# KiCad board Wirebonder.kicad_pcb (continued)
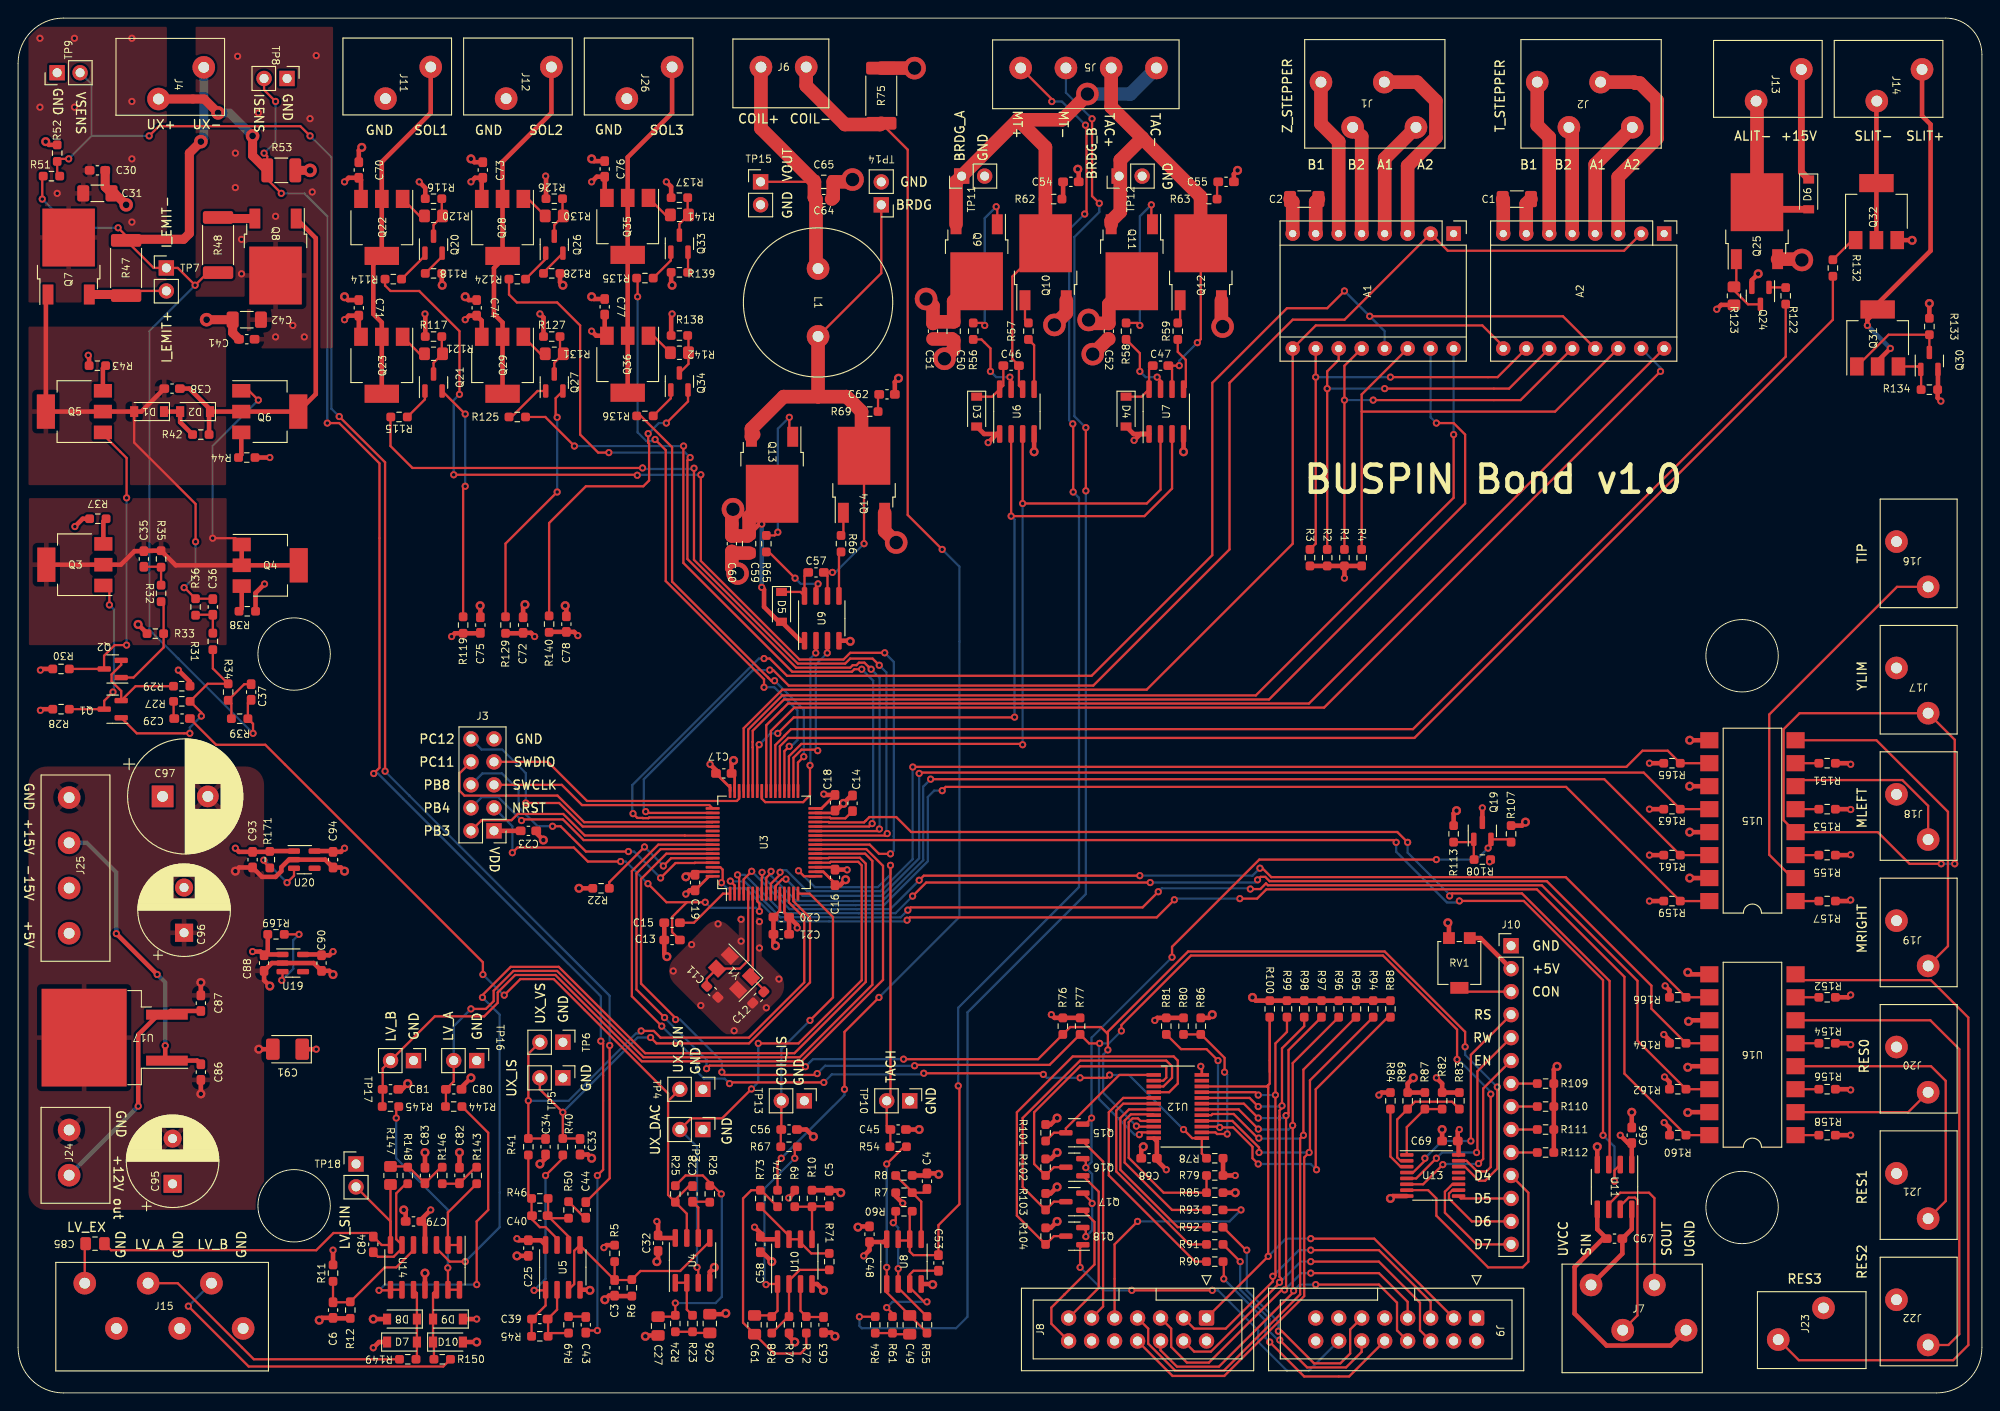
[diagram p0: board, top side]
## Nets (continued)
Net-(C64-Pad1): C64.1 C65.1 J6.1 L1.1 TP15.1
Net-(C67-Pad1): C67.1 J7.4 U11.5
Net-(C67-Pad2): C67.2 J7.1 U11.8
Net-(C82-Pad1): C82.1 R143.2 R146.1
Net-(C83-Pad1): C83.1 R146.2 R147.1 R148.1
Net-(C84-Pad1): C84.1 R148.2 U14.6
Net-(C84-Pad2): C84.2 C85.1 R147.2 TP18.2 U14.7
Net-(C85-Pad2): C85.2 J15.1
Net-(D1-Pad1): D1.1 D2.2 R42.1
Net-(D7-Pad2): D7.2 D8.1 R149.1 U14.10
Net-(D10-Pad1): D9.2 D10.1 R150.1 U14.12
Net-(J5-Pad3): J5.3 R64.2
Net-(J6-Pad2): J6.2 R74.2 R75.1
Net-(J7-Pad2): J7.2 U11.7
Net-(J7-Pad3): J7.3 U11.6
Net-(J8-Pad1): J8.1 J9.3 R100.2 U12.10
Net-(J8-Pad3): J8.3 J9.5 R99.2 U12.9
Net-(J8-Pad4): J8.4 J9.6 R98.2 U12.8
Net-(J8-Pad5): J8.5 J9.7 R97.2 U12.7
Net-(J8-Pad6): J8.6 J9.8 R96.2 U12.6
Net-(J8-Pad7): J8.7 R95.2 U12.5
Net-(J8-Pad8): J8.8 R94.2 U12.4
Net-(J8-Pad9): J8.9 R93.2
Net-(J8-Pad11): J8.11 Q15.1
Net-(J8-Pad13): J8.13 Q16.1
Net-(J8-Pad14): J8.14 Q17.1
Net-(J9-Pad10): J9.10 R90.2
Net-(J9-Pad11): J9.11 R92.2
Net-(J9-Pad12): J9.12 R91.2
Net-(J9-Pad14): J9.14 Q18.1
Net-(J10-Pad3): J10.3 RV1.2
Net-(J10-Pad7): J10.7 R109.1
Net-(J10-Pad8): J10.8 R110.1
Net-(J10-Pad9): J10.9 R111.1
Net-(J10-Pad10): J10.10 R112.1
Net-(J15-Pad3): J15.3 R149.2
Net-(J15-Pad5): J15.5 R150.2
Net-(J16-Pad1): J16.1 U15.2
Net-(J17-Pad1): J17.1 U15.4
Net-(J18-Pad1): J18.1 U15.6
Net-(J19-Pad1): J19.1 U15.8
Net-(J20-Pad1): J20.1 U16.2
Net-(J21-Pad1): J21.1 U16.4
Net-(J22-Pad1): J22.1 U16.6
Net-(J23-Pad1): J23.1 U16.8
Net-(Q1-Pad1): Q1.1 R27.1 R31.2 R34.1
Net-(Q1-Pad2): Q1.2 Q2.2 R29.2
Net-(Q1-Pad3): Q1.3 Q3.1 R28.1
Net-(Q2-Pad1): Q2.1 R32.2 R33.2
Net-(Q2-Pad3): Q2.3 Q5.1 R30.1
Net-(Q3-Pad3): Q3.3 R37.1
Net-(Q4-Pad3): Q4.3 R38.2
Net-(Q5-Pad3): Q5.3 R43.1
Net-(Q6-Pad3): Q6.3 R44.2
Net-(Q7-Pad3): Q7.3 R47.1 TP7.2
Net-(Q8-Pad3): Q8.3 R48.2
Net-(Q9-Pad1): Q9.1 R56.2
Net-(Q10-Pad1): Q10.1 R57.2
Net-(Q11-Pad1): Q11.1 R58.2
Net-(Q12-Pad1): Q12.1 R59.2
Net-(Q13-Pad1): Q13.1 R65.1
Net-(Q14-Pad1): Q14.1 R66.1
Net-(Q15-Pad2): Q15.2 Q16.2 Q17.2 Q18.2 Q19.2 R107.1
Net-(Q15-Pad3): Q15.3 R101.2 U12.13
Net-(Q16-Pad3): Q16.3 R102.2 U12.14
Net-(Q17-Pad3): Q17.3 R103.2 U12.15
Net-(Q18-Pad3): Q18.3 R104.2 U12.16
Net-(Q19-Pad1): Q19.1 R108.2 R113.1
Net-(Q20-Pad1): Q20.1 R114.1
Net-(Q20-Pad2): Q20.2 R118.2
Net-(Q20-Pad3): Q20.3 R116.1 R120.1
Net-(Q21-Pad1): Q21.1 R115.1
Net-(Q21-Pad2): Q21.2 R119.2
Net-(Q21-Pad3): Q21.3 R117.2 R121.1
Net-(Q22-Pad1): Q22.1 R120.2
Net-(Q23-Pad1): Q23.1 R121.2
Net-(Q24-Pad1): Q24.1 R122.1
Net-(Q24-Pad3): Q24.3 Q25.1 R123.1
Net-(Q26-Pad1): Q26.1 R124.1
Net-(Q26-Pad2): Q26.2 R128.2
Net-(Q26-Pad3): Q26.3 R126.1 R130.1
Net-(Q27-Pad1): Q27.1 R125.1
Net-(Q27-Pad2): Q27.2 R129.2
Net-(Q27-Pad3): Q27.3 R127.2 R131.1
Net-(Q28-Pad1): Q28.1 R130.2
Net-(Q29-Pad1): Q29.1 R131.2
Net-(Q30-Pad1): Q30.1 Q31.3 R134.1
Net-(Q30-Pad3): Q30.3 Q31.1 R133.2
Net-(Q32-Pad1): Q32.1 R132.1
Net-(Q33-Pad1): Q33.1 R135.1
Net-(Q33-Pad2): Q33.2 R139.2
Net-(Q33-Pad3): Q33.3 R137.1 R141.1
Net-(Q34-Pad1): Q34.1 R136.1
Net-(Q34-Pad2): Q34.2 R140.2
Net-(Q34-Pad3): Q34.3 R138.2 R142.1
Net-(Q35-Pad1): Q35.1 R141.2
Net-(Q36-Pad1): Q36.1 R142.2
Net-(R22-Pad1): R22.1 U3.60
Net-(R23-Pad1): R23.1 U4.1 U4.2
Net-(R55-Pad1): R55.1 R60.2 U8.2
Net-(R56-Pad1): R56.1 U6.7
Net-(R57-Pad1): R57.1 U6.5
Net-(R58-Pad1): R58.1 U7.7
Net-(R59-Pad1): R59.1 U7.5
Net-(R65-Pad2): R65.2 U9.7
Net-(R66-Pad2): R66.2 U9.5
Net-(R68-Pad1): R68.1 R70.1 R71.2 U10.2
Net-(R71-Pad1): R71.1 R73.1 U10.6 U10.7
Net-(R79-Pad1): R79.1 R85.1 U12.21
Net-(R80-Pad1): R80.1 R86.1 U12.2
Net-(R81-Pad1): R81.1 R88.1 U12.3
Net-(R82-Pad1): R82.1 R87.1 U13.1
Net-(R83-Pad1): R83.1 R89.1 U13.2
Net-(R84-Pad2): R84.2 U13.3
Net-(R90-Pad1): R90.1 U12.17
Net-(R91-Pad1): R91.1 U12.18
Net-(R92-Pad1): R92.1 U12.19
Net-(R93-Pad1): R93.1 U12.20
Net-(R143-Pad1): R143.1 U14.1 U14.2
Net-(R144-Pad1): R144.1 U14.8 U14.9
Net-(R145-Pad1): R145.1 U14.13 U14.14
Net-(R151-Pad2): R151.2 U15.7
Net-(R152-Pad2): R152.2 U16.7
Net-(R153-Pad2): R153.2 U15.5
Net-(R154-Pad2): R154.2 U16.5
Net-(R155-Pad2): R155.2 U15.3
Net-(R156-Pad2): R156.2 U16.3
Net-(R157-Pad2): R157.2 U15.1
Net-(R158-Pad2): R158.2 U16.1
Net-(R169-Pad1): R169.1 U19.3
Net-(R171-Pad1): R171.1 U20.3

Pads without a net: J8 10 12; J9 1 4 9 13 15 16; U3 54; U12 11; U13 12 13; U19 4; U20 4

## Via types
v1: diameter 0.8, hole 0.4, Top to Bottom, 387 vias
v2: diameter 1, hole 0.5, Top to Bottom, 91 vias
v3: diameter 2.5, hole 1.5, Top to Bottom, 13 vias
v4: diameter 1.5, hole 0.75, Top to Bottom, 6 vias

## Routing (per net, layer and track width the routed paths; a pad name or vN(x,y) marks a point on that pad's centre or on a via; arc(x,y) is an arc through that point)
+5V: length 38
  Top w0.5: v1(25.91,48.8) 26.77,48.8 C88.2 ; R169.2 27.59,48.8 C88.2 ; RV1.1 161.59,50.28 J10.2 ; v1(162.6,58.72) 162.71,58.84 R108.1 ; v1(202.5,33.5) 202.42,33.58 R156.1 ; v1(202.5,44) 202.24,43.74 R152.1 ; C88.2 27.27,48.47 U19.1 ; R157.1 202.38,54.38 v1(202.5,54.5) ; R154.1 202.34,38.66 v1(202.5,38.5) ; v1(212.47,109.65) 212.11,110.01 R134.2 212.15,110.96 Q30.2 ; Q19.3 v1(161.8,64.68) ; U20.1 27.85,59.91 R171.2 27.77,59.82 C93.2 24.41,59.82 v1(24.01,60.22) ; R153.1 202.46,64.54 v1(202.5,64.5) ; R155.1 202.46,59.46 v1(202.5,59.5) ; R151.1 202.38,69.62 v1(202.5,69.5) ; R158.1 v1(202.5,28.5)
+12V: length 26.7
  Top w0.5: v1(13.27,31.7) 13.27,39.6 15.5,41.82 U17.3 16.85,42.23 C87.1
  Bottom w0.5: J24.1 v1(13.27,31.7)
+15V: length 137
  Top w0.5: R28.2 2.59,75.59 v1(2.47,75.47) ; Q35.3 64.82,132.36 C76.1 63.94,134.46 v1(63.38,133.9) ; R123.2 188.18,120.29 v1(187.7,119.81) ; v1(16.26,38.39) 16.26,36.93 U17.1 19.79,36.74 C86.2 ; v1(82.17,89.06) 82.42,88.81 82.42,86.91 84.08,85.25 D5.2 86.45,83.16 U9.1 ; Q22.3 37.89,134.1 C70.1 36.52,134.34 v1(36.07,133.9) ; Q28.3 51.23,134.22 C73.1 50.49,134.34 v1(50.04,133.9) ; D4.2 123.25,106.02 U7.1 124.02,106.02 v1(123.32,105.32) ; v1(2.47,79.91) 2.59,80.04 R30.2 ; R137.2 72.16,133.36 v1(71.63,133.9) ; R37.2 7.14,96.65 v1(6.27,95.78) ; v1(7.75,114.72) 7.85,114.62 R43.2 ; R126.2 58.33,134.49 v1(58.3,134.53) ; C59.1 81.9,96.05 v1(82.17,96.05) ; v1(107.19,105.07) 108.14,106.02 U6.1 106.75,106.02 D3.2 ; v1(44.33,133.9) 44.99,133.23 R116.2 ; v1(10.85,50.78) v1(15.37,46.27)
  Top w0.75: J13.1 197.05,134.97 D6.1
  Top w1.5: A2.8 164.11,131.93 C1.2 ; C2.2 140.84,131.7 A1.8 ; v3(118.29,118.63) 118.67,118.25 C52.1 120.53,120.37 Q11.2 ; v3(100.33,120.94) 101.09,120.18 C51.1 101.27,118.42 C50.1 103.38,120.69 105.6,122.91 Q9.2 ; Q13.2 80.78,96.87 C59.1 80.6,94.75 C60.1 78.87,97.57 v3(79,97.7)
  Bottom w0.5: v1(15.37,46.27) 16.26,45.38 v1(16.26,38.39) ; J25.3 7.59,60.82 10.85,57.55 v1(10.85,50.78) ; v1(82.17,89.06) v1(82.17,96.05)
  vias: v1(2.41,149.77) v1(2.41,142.15) v1(4.32,132.62) v1(6.23,149.77) v1(6.23,142.15) v1(12.58,149.77) v1(12.58,142.78) v1(12.58,136.44) v1(12.58,129.45)
-15V: length 27.5
  Top w0.5: v1(36.07,118.66) 36.52,119.1 C71.2 37.65,117 Q23.3 ; v1(27.23,89.44) 26.24,88.44 R38.1 ; v1(17.7,79.91) 18.99,78.62 R29.1 ; v1(63.38,117.38) 63.88,116.88 Q36.3 64.82,117.12 C77.2 ; v1(72.27,119.29) 72.16,119.19 R138.1 ; v1(49.41,118.66) 49.85,119.1 C74.2 51.23,118.55 Q29.3 ; v1(44.96,119.29) 44.99,119.26 R117.1 ; R127.1 58.06,118.89 v1(57.66,119.29) ; R44.1 v1(27.81,103.41)
  vias: v1(24.01,137.07) v1(24.01,133.26) v1(24.26,147.78) v1(24.69,127.53) v1(24.69,123.72) v1(26.55,141.51) v1(28.45,130.09) v1(28.45,116.75) v1(30.36,118.02) v1(31.62,116.75) v1(32.26,140.88) v1(32.5,132.78) v1(32.94,147.85)
GND: length 269
  Top w0.3: C16.1 90.27,56.33 88.98,57.62 U3.18 ; C20.2 84.17,53.32 U3.12 ; U3.63 75.14,57.62 C19.1 ; v1(130.69,36.1) 130.8,35.99 U12.12 ; U3.31 90,64.12 C18.1 ; C17.1 79.17,68.16 U3.47
  Top w0.5: v2(166.56,63.11) 166.18,62.72 R107.2 ; R88.2 R94.1 R95.1 R96.1 R97.1 R98.1 R99.1 R100.1 136.76,43.37 v2(136.4,43.72) ; C58.1 82.24,15.56 v2(83.28,14.51) ; v2(33.28,8.04) 33.53,8.29 C6.1 34.85,8.25 R12.2 ; R113.2 158.62,64.06 v2(158.94,64.38) ; v2(36.07,121.19) 36.44,120.83 C71.1 ; U13.8 151.91,21.76 v2(151.64,21.5) ; RV1.3 158.11,51.86 v2(157.99,51.98) ; U14.11 v2(44.96,13.25) ; R118.1 46.82,122.51 v2(46.86,122.47) ; C78.2 60.58,86.91 v2(60.45,87.03) ; v2(50.04,136.44) 50.41,136.07 C73.2 ; R128.1 59.88,122.78 v2(60.2,122.47) ; v2(70.58,14.51) 70.72,14.65 C32.1 ; v2(114.81,30.39) 114.09,29.68 113.54,29.68 ; v2(63.38,121.19) 63.63,120.94 C77.1 ; C63.1 89.86,6.67 v2(90.27,6.26) ; Q24.2 191.57,123.03 v2(192.28,123.73) ; v2(101.73,24.17) 101.63,24.27 C4.1 100.2,24.04 R8.2 ; U7.4 v2(128.78,104.05) ; C80.2 49,33.79 v2(50.04,34.84) ; C76.2 63.63,136.18 v2(63.38,136.44) ; v2(154.18,34.84) 153.54,34.2 R89.2 R87.2 ; v2(131.96,41.82) 131.6,41.46 R86.2 ; U15.13 v2(184.71,62) ; C86.1 v2(20.2,33.06) ; v2(114.81,18.96) 114.09,18.25 R104.1 ; C54.2 117.2,135.19 v2(117.1,135.29) ; D8.2 v2(39.25,8.16) ; R6.2 65.97,10.71 C3.1 65.29,10.75 v2(64.83,10.3) ; v2(184.5,36) 184.62,36.12 U16.13 ; v2(63.38,25.94) 62.97,26.35 C33.1 ; C66.2 v2(178.31,31.03) ; C91.2 v2(26.59,38) ; v2(91.95,83.09) 91.89,83.16 U9.4 ; U6.4 v2(112.27,104.05) ; v2(79.06,69.92) 78.84,69.7 C17.1 ; C20.2 C21.2 83.47,49.67 v2(83.69,49.44) ; v2(27.81,44.98) 27.18,45.62 C88.1 28.04,47.53 U19.2 32.67,47.53 C90.1 34.39,46.66 v2(34.8,46.25) ; v2(89,11.34) 88.3,12.04 U10.4 ; C68.2 124.11,26.99 v2(124.34,27.22) ; C74.1 49.77,120.83 v2(49.41,121.19) ; C83.2 v2(44.96,26.58) ; R52.2 3.41,137.98 v2(3.05,138.34) ; v2(69.31,6.26) 69.41,6.35 C27.2 ; U4.4 76.43,13.38 v2(76.93,13.88) ; v2(97.28,112.18) 96.88,111.77 C62.2 ; v2(85.82,5.62) 85.19,6.26 R70.2 ; R10.2 89.58,22.41 C5.1 90.67,22.36 v2(90.9,22.13) ; v2(57.66,25.31) 58.28,25.94 C34.1 ; C16.1 90.83,56.13 v2(91.44,56.74) ; U5.4 63.12,11.41 v2(63.19,11.34) ; R33.1 14.25,83.97 v2(13.26,84.96) ; v2(58.04,61.12) 57.25,61.91 C23.1 ; C75.2 51.08,87.01 v2(51.06,87.03) ; v2(73.79,57.06) 74.02,57.29 C19.1 ; v2(72.27,122.47) 72.16,122.57 R139.1 ; 86.06,29.12 87.09,29.12 v2(87.88,28.33) ; C82.2 v2(48.77,26.58) ; v2(184.5,31) 184.54,31.04 U16.15 ; C81.2 42.42,33.56 v2(43.06,34.2) ; C72.2 55.81,86.95 v2(56.01,87.16) ; R85.2 v2(134.5,22.13) ; C48.1 92.89,18.41 v2(92.81,18.32) ; C70.2 37.65,137.38 v2(37.97,137.7) ; C18.1 90.41,64.39 v2(91.2,65.18) 92.07,66.05 C14.2 ; v2(134.75,135.16) 134.34,134.76 C55.2 ; R102.1 114.09,25.87 v2(114.81,26.58) ; D10.2 v2(50.67,5.62) ; C15.1 C13.1 71.4,48.53 v2(71.69,48.23) ; R103.1 114.09,22.06 v2(114.81,22.77) ; R22.2 62.15,55.79 ; U8.4 101,12.04 v2(101.06,11.97) ; v2(24.01,57.69) 24.41,58.09 C93.1 26.95,57.05 28.45,57.05 29.08,57.69 29.08,58.11 29.93,58.95 U20.2 33.94,58.95 C94.1 35.66,58.09 v2(36.07,57.69) ; U15.9 v2(184.71,72.16) ; R133.1 v2(211.19,120.44) ; U15.15 v2(184.71,56.92) ; U15.11 v2(184.71,67.08) ; v2(170.06,36.1) 169.7,35.75 R109.2 R110.2 R111.2 R112.2 ; C25.1 v2(55.12,15.15) ; v2(184.58,41.08) 184.7,41.2 U16.11 ; Q32.3 209.26,127.45 v2(209.29,127.43) ; C87.2 v2(20.2,45.38) ; C79.2 42.83,20.01 v2(42.61,20.23) ; C26.2 78.11,8.71 v2(78.2,8.8) ; U11.4 v2(174.5,27.22) ; v2(184.5,46.5) 184.72,46.28 U16.9 ; C69.1 v2(157.35,29.12) ; C45.2 v2(99.57,29.12)
  Top w1: C41.2 23.71,117.2 C42.2 v4(20.83,118.66) ; C30.2 9.63,133.32 C31.2 10.67,132.62 v4(11.94,131.35) ; R53.2 v4(32.26,135.16)
  Top w1.5: Q25.3 197.02,125.34 v3(197.11,125.26) ; v3(102.36,114.34) 103.38,115.35 C50.2 103.21,116.52 C51.2 ; Q14.3 95.75,95.29 v3(97.03,94.02) ; v3(79.5,90.59) 78.87,91.22 C60.2 79.05,92.85 C59.2 ; A2.7 166.65,131.47 C1.1 ; v3(118.75,114.84) 120.42,116.52 C52.2 ; v3(114.51,118.07) 115.82,119.38 Q10.3 ; R75.2 99.06,146.47 v3(99.06,146.47) ; C64.2 90.07,132.16 C65.2 91.95,133.9 v3(92.2,134.15) ; C2.1 143.38,131.7 A1.7 ; Q12.3 132.97,118.03 v3(133.1,117.89)
  In1.Cu w0.5: TP18.1 37.34,27.84 37.5,28
  vias: v1(72.39,46.65) v1(74.42,49.57) v1(75.44,42.84) v1(77.34,51.85) v1(79.12,40.04) v1(79.89,52.36) v1(79.89,49.95) v1(81.92,52.11) v1(81.92,49.19) v1(82.68,42.58) v1(84.08,45.76) v2(61.98,55.79)
VDD: length 77.1
  Top w0.3: U3.64 76.36,57.12 C19.2 ; C18.2 88.78,64.62 U3.32 ; C17.2 78.67,66.93 U3.48 ; U3.19 90.01,58.12 C16.2
  Top w0.5: R78.1 R79.2 v1(134.5,24.04) ; C75.1 51.03,83.98 R119.1 48.26,83.98 v1(47.9,83.63) ; v1(156.72,34.84) 157.35,34.2 R82.2 R83.2 ; v1(91.61,57.83) 91.58,57.86 C16.2 ; v1(181.85,39.63) 182.48,39 R164.2 ; v1(181.89,29.89) 182.48,29.3 R160.2 ; v1(57.08,83.63) 56.67,84.03 C72.1 55.75,83.98 R129.1 ; R1.2 v1(146.56,90.08) ; R1.2 R2.2 R3.2 ; R1.2 R4.2 ; R165.2 v1(180.26,69.62) ; v1(73.79,55.16) 74.2,55.56 C19.2 ; R77.2 R76.2 114.53,41.46 v1(114.18,41.82) ; U20.5 34.71,59.91 C94.2 35.66,59.82 v1(36.07,60.22) ; R161.2 v1(180.26,59.46) ; R140.1 58.73,84.14 C78.1 61.44,84.14 v1(61.85,83.73) ; U11.1 C66.1 177.9,27.62 v1(177.04,28.49) ; J3.1 52.59,62.14 C23.2 ; R162.2 182.48,34.38 v1(181.93,34.93) ; v1(76.46,69.51) 77.12,68.84 C17.2 ; R80.2 R81.2 125.88,41.46 v1(125.6,41.19) ; R163.2 v1(180.26,64.54) ; v1(89.03,66.2) 89.12,66.11 C18.2 ; v1(150.37,32.93) 150.65,33.21 R84.1 ; v1(126.88,24.68) 125.83,25.72 C68.1 125.83,27.83 125.51,28.15 ; v1(182,45) 182.48,44.52 R166.2 ; U13.16 159.18,27.76 ; R159.2 v1(180.26,54.38) ; C69.2 159.08,28.94 v1(159.26,29.12)
VDDA: length 38.9
  Top w0.3: U3.13 84.67,53.13 C20.1
  Top w0.5: C21.1 C20.1 86.09,51.72 v1(86.09,51.41) ; U14.4 44.96,18.55 C79.1 44.55,19.19 v1(45.59,20.23) ; v1(93.44,15.15) 94.08,15.78 C48.2 95.67,16.68 U8.8 ; v1(55.12,17.06) 55.3,16.88 C25.2 57.77,16.88 U5.8 ; U19.5 33.44,48.47 C90.2 34.39,48.39 v1(34.8,48.8) ; R5.1 65.01,16.34 v1(64.73,16.06) ; D7.1 39.88,5.62 v1(39.25,4.99) ; D9.1 v1(50.67,8.16) ; v1(70.58,18.96) 70.72,18.83 C32.2 71.01,17.13 U4.8 ; v1(97.75,20.97) 96.97,21.75 R7.1 ; C91.1 v1(32.94,38) ; v1(85.15,21.56) 85.82,22.22 R9.1 ; R11.1 v1(34.8,15.78) ; v1(81.38,18.32) 82.01,17.69 C58.2 82.31,16.99 U10.8
/contact_sensors/MOUSE_LEFT: length 117.9
  Top w0.25: U15.12 R163.1 179.63,68.58 99.66,68.58 v1(99.57,68.49) ; v1(84.85,56.81) 84.44,56.81 83.7,56.06 83.7,55.92 83.67,55.9 U3.11
  Bottom w0.25: v1(99.57,68.49) 99.57,68.49 99.57,59.1 95.43,54.96 86.69,54.96 v1(84.85,56.81)
/contact_sensors/MOUSE_RIGHT: length 119.5
  Top w0.25: U15.10 R165.1 182.29,71 179.5,71 177.71,69.21 99.02,69.21 98.94,69.12 v1(98.86,69.2) ; U3.10 83.17,56.29 84.19,57.3 v1(84.19,57.56)
  Bottom w0.25: v1(98.86,69.2) 98.85,69.18 98.85,59.01 95.3,55.47 87.22,55.47 84.9,57.78 84.42,57.78 v1(84.19,57.56)
/contact_sensors/RES0: length 132.6
  Top w0.25: U16.16 R160.1 177.5,35.3 177.5,46 167.83,55.67 137.93,55.67 136.91,54.65 v1(135,54.65) ; v1(127.76,54.52) 125.82,52.57 98.54,52.57 v1(98.23,52.27) ; U3.62 77.59,58.12 77.85,57.86 77.85,56.54 v1(77.72,56.41)
  Bottom w0.25: v1(98.23,52.27) 98.1,52.13 89.61,52.13 89.61,52.14 84.05,52.14 80.4,55.78 78.35,55.78 v1(77.72,56.41) ; v1(135,54.65) 127.89,54.65 v1(127.76,54.52)
/contact_sensors/RES1: length 128.4
  Top w0.25: U3.2 79.17,56.11 v1(78.7,56.58) ; v1(136.16,55.71) 137.27,55.71 137.89,56.33 138.11,56.12 168.38,56.12 178.94,45.56 178.94,38.94 R162.1 U16.14 ; v1(98.32,53.38) 98.62,53.68 124.26,53.68 v1(125.99,55.41)
  Bottom w0.25: v1(125.99,55.41) 126.37,55.79 136.08,55.79 v1(136.16,55.71) ; 82.93,53.88 83.34,53.47 82.29,54.53 ; 82.93,53.88 84.23,52.58 89.79,52.58 89.8,52.58 97.52,52.58 v1(98.32,53.38) ; 82.93,53.88 80.27,56.55 78.74,56.55
/contact_sensors/RES2: length 121.7
  Top w0.25: U16.12 R164.1 180.48,42.48 180.48,45.02 168.93,56.57 138.29,56.57 137.81,57.05 137.29,57.05 v1(136.96,56.72) ; v1(125.1,56.42) 100.34,56.42 v1(98.84,54.93) ; U3.3 79.67,57
  Bottom w0.25: v1(136.96,56.72) 136.67,56.43 125.1,56.43 v1(125.1,56.42) ; v1(79.5,57.28) 80.3,57.28 84.55,53.03 89.98,53.03 89.98,53.03 92.9,53.03 92.9,53.03 96.95,53.03 v1(98.84,54.93)
/contact_sensors/RES3: length 118.3
  Top w0.25: v1(123.95,57.19) 100.08,57.19 v1(99.57,56.68) ; U3.4 80.17,56.78 v1(81.06,57.67) ; 137.29,57.95 v1(137.23,58.01) 137.49,58.01 138.48,57.02 171.02,57.02 R166.1 U16.10
  Bottom w0.25: v1(137.23,58.01) 136.4,57.19 v1(123.95,57.19) ; v1(81.06,57.67) 85.25,53.48 90.17,53.48 90.17,53.48 92.71,53.48 92.72,53.48 96.37,53.48 v1(99.57,56.68)
/contact_sensors/TIP: length 123.6
  Top w0.25: U15.16 R159.1 171.05,67 102.5,67 102.11,66.61 v1(102.11,66.58) ; U3.8 82.17,56.94 82.21,56.97 v1(82.21,57.55)
  Bottom w0.25: v1(82.21,57.55) 82.21,57.16 85.43,53.93 90.35,53.93 90.36,53.93 92.53,53.93 92.53,53.93 95.68,53.93 100.52,58.77 100.52,65.89 101.22,66.58 v1(102.11,66.58)
/contact_sensors/Y_LIM: length 121.8
  Top w0.25: U3.9 82.67,56.96 83.2,57.48 v1(83.2,57.66) ; U15.14 R161.1 175.27,67.86 v1(100.84,67.86)
  Bottom w0.25: v1(100.84,67.86) 100.01,67.03 100.01,58.9 95.84,54.72 95.83,54.72 95.49,54.38 92.35,54.38 92.34,54.38 90.54,54.38 90.54,54.38 85.99,54.38 83.2,57.17 v1(83.2,57.66)
/drives/AREALIGHT_nPWM: length 140.3
  Top w0.25: U3.38 83.67,71.63 84.67,72.62 84.67,72.65 85.41,73.38 154.13,73.38 195.32,114.57 R122.2
/drives/nAREALIGHT: length 17.1
  Top w0.75: D6.2 192.93,130.86 Q25.2
  Top w1.5: Q25.2 192.15,142.73
/drives/nSPOTLIGHT: length 15.4
  Top w0.5: J14.2 205.34,142.78 Q32.2
/drives/SOL1: length 39.2
  Top w0.5: J11.1 45.59,141.51 40.19,136.11 Q22.2 Q22.4 39.25,124.76 39.25,119.29 40.19,118.34 Q23.2 Q23.4
/drives/SOL1H: length 120.7
  Top w0.25: v1(95.76,81.83) 91.95,81.83 91.21,81.08 86.34,81.08 75.44,91.98 v1(75.44,101.51) ; R114.2 40.55,122.43 41.15,121.83 44.33,121.83 48.77,117.38 v1(48.77,110.4) ; v1(96.4,59.6) 95.12,59.6 94.1,60.62 U3.24 ; v1(68.41,101.45) 68.36,101.51 v1(48.14,101.51)
  Bottom w0.25: v1(96.4,59.6) 96.76,59.97 96.76,61.54 96.76,61.54 96.76,62.14 96.76,62.14 96.76,80.82 v1(95.76,81.83) ; v1(75.44,101.51) 68.47,101.51 v1(68.41,101.45) ; v1(48.77,110.4) 48.14,109.77 v1(48.14,101.51)
/drives/SOL1L: length 100.7
  Top w0.25: v1(96.04,61.84) 95.81,61.62 U3.26 ; v1(95.16,80.45) 94.42,81.18 91.94,81.18 91.39,80.63 86.16,80.63 74.69,92.1 v1(74.69,102.23) ; R115.2 41.15,107.87 41.15,104.69 43.57,102.26 v1(69,102.26)
  Bottom w0.25: v1(96.04,61.84) 95.94,61.94 95.94,79.66 v1(95.16,80.45) ; v1(74.69,102.23) 74.6,102.15 69.12,102.15 v1(69,102.26)
/drives/SOL2: length 39.2
  Top w0.5: J12.1 58.93,141.51 53.53,136.12 Q28.2 Q28.4 53.53,125.32 52.58,124.37 52.58,119.29 53.53,118.34 Q29.2 Q29.4
/drives/SOL2H: length 98.6
  Top w0.25: v1(65.28,103.96) 64.1,103.96 62.11,105.95 62.11,118.02 59.56,120.56 55.12,120.56 54.25,121.43 R124.2 ; v1(74.26,103.41) 73.96,103.12 73.96,92.19 85.97,80.18 91.95,80.18 92.22,80.46 92.64,80.46 92.92,80.73 93.52,80.73 93.94,80.31 93.96,80.31 v1(94.26,80.01) ; U3.27 94.95,62.12 v1(95.17,62.34)
  Bottom w0.25: v1(65.28,103.96) 73.71,103.96 v1(74.26,103.41) ; v1(95.17,62.34) 95.19,62.37 95.19,79.07 v1(94.26,80.01)
/drives/SOL2L: length 80.6
  Top w0.25: R125.2 58.25,107.9 v1(61.47,104.69) ; v1(93.22,80.01) 92.41,80.01 92.14,79.73 85.54,79.73 73.51,91.76 73.51,104.66 v1(73.53,104.69) ; v1(94.37,62.94) 94.05,62.62 U3.28
  Bottom w0.25: v1(93.22,80.01) 94.49,78.74 94.49,63.06 v1(94.37,62.94) ; v1(73.53,104.69) v1(61.47,104.69)
/drives/SOL3: length 38
  Top w0.5: Q36.4 Q36.2 Q35.4 Q35.2 67.36,136.61 72.27,141.51 J26.1
/drives/SOL3H: length 66.3
  Top w0.25: U3.36 84.67,70.95 v1(85.21,71.49) ; v1(82.42,78.02) 82.42,78.9 71.56,89.76 71.56,104.24 v1(70.39,105.41) ; R135.2 68.45,123.15 v1(68.45,121.19)
  Bottom w0.25: v1(82.42,78.02) 83.57,78.02 86.11,75.47 86.11,72.17 85.42,71.49 v1(85.21,71.49) ; v1(68.45,121.19) 68.45,106.2 69.42,105.23 70.21,105.23 v1(70.39,105.41)
/drives/SOL3L: length 49.9
  Top w0.25: v1(86.82,70.34) 86.17,69.7 U3.33 ; R136.2 68.81,108.02 72.27,104.56 72.27,89.69 82.87,79.08 82.87,79.08 83.22,78.74 v1(83.59,78.74)
  Bottom w0.25: v1(86.82,70.34) 86.82,75.53 84.65,77.7 84.63,77.7 v1(83.59,78.74)
/drives/SPOTLIGHT: length 37.8
  Top w0.5: v1(204.34,118.02) 204.34,118.65 Q31.4 205.48,120.42 211.33,126.28 211.33,140.25 210.38,141.19 J14.1 ; Q31.2 205.48,114.08 v1(206.88,115.48)
  Bottom w0.5: v1(206.88,115.48) v1(204.34,118.02)
/drives/SPOTLIGHT_PWM: length 145.6
  Top w0.25: R132.2 200.53,118.66 154.3,72.42 85.1,72.42 84.17,71.49 U3.37
/force_coil/ISENS: length 32.7
  Top w0.25: U3.16 87.47,55.19 90.05,52.61 90.05,43.72 v1(87.5,41.19) ; TP13.2 84.33,29.12 C56.1 84.28,29.06 R67.1
  Bottom w0.25: v1(87.5,41.19) 84.33,38.02 TP13.2
/force_coil/nPWM: length 19.6
  Top w0.25: v1(89.41,81.81) 89.41,83.13 U9.3 ; U3.34 85.67,70.22 86.57,71.12 88.24,71.12 v1(88.36,71.01)
  Bottom w0.25: v1(89.41,81.81) 88.14,80.54 88.14,71.22 v1(88.36,71.01)
/force_coil/PWM: length 24
  Top w0.25: U9.2 88.14,83.13 v1(88.14,81.81) ; v1(87.5,69.38) 87.5,66.08 86.74,65.31 82.56,65.31 82.17,65.7 U3.41
  Bottom w0.25: v1(87.5,69.38) 87.54,69.41 87.54,81.21 v1(88.14,81.81)
/interface/D4: length 28.7
  Top w0.25: J10.11 166.88,22.13 166.88,14.51 166.25,13.88 162.44,13.88 156.72,19.59 156.72,21.5 155.81,22.41 U13.7
/interface/D5: length 5.9
  Top w0.25: J10.12 159.44,21.5 U13.9
/interface/D6: length 9.7
  Top w0.25: U13.10 158.49,22.41 158.11,22.04 158.11,21.49 160.64,18.96 J10.13
/interface/D7: length 12.9
  Top w0.25: U13.11 158.49,23.06 157.66,22.24 157.66,19.92 161.16,16.42 J10.14
/interface/EN: length 21.8
  Top w0.25: v1(157.43,25.24) 155.25,23.06 U13.6 ; v1(161.38,25.36) 161.89,25.86 161.89,33.65 J10.6
  Bottom w0.25: v1(161.38,25.36) 161.33,25.31 157.5,25.31 v1(157.43,25.24)
/interface/INT: length 97.8
  Top w0.25: v1(71.12,40.55) 67.82,43.85 67.82,57.69 70.75,60.62 U3.57 ; v1(128.78,29.12) 129.73,28.17 U12.1 130.8,26.47 R78.2 ; v1(89.03,34.33) 78.74,34.33 v1(78.61,34.2) ; v1(100.08,35.34) 113.16,35.34 v1(113.29,35.22) ; v1(120.61,35.15) 120.3,34.84 v1(117.35,34.84)
  Bottom w0.25: v1(128.78,29.12) 122.75,35.15 v1(120.61,35.15) ; v1(100.08,35.34) 99.95,35.22 89.92,35.22 v1(89.03,34.33) ; v1(117.35,34.84) 113.67,34.84 v1(113.29,35.22) ; v1(78.61,34.2) 78.08,34.74 75.79,34.74 75.06,35.47 75.06,36.61 v1(71.12,40.55)
/interface/RS: length 24.5
  Top w0.25: J10.4 160.53,37.38 v1(160.53,27.85) ; U13.4 154.14,24.37 155.45,25.68 v1(155.45,25.94)
  Bottom w0.25: v1(155.45,25.94) 157.35,27.85 v1(160.53,27.85)
/interface/RW: length 23.2
  Top w0.25: v1(156.72,25.94) 154.49,23.72 U13.5 ; v1(161.16,26.58) 161.25,26.67 161.25,35.56 J10.5
  Bottom w0.25: v1(156.72,25.94) 157.35,26.58 v1(161.16,26.58)
/interface/SCL: length 164
  Top w0.25: v1(71.44,41.5) 68.33,44.61 68.33,57.44 71.01,60.12 U3.58 ; v1(163.45,33.82) 163.45,24.8 162.11,23.46 161.42,23.46 159.86,25.01 U13.14 ; v1(123.57,29.5) 123.64,29.44 U12.22 ; 120.42,39.67 119.65,40.45 116.26,40.45 R76.1 112.71,36.9 v1(97.84,36.9) ; 120.42,39.67 v1(120.42,37.92) ; 120.42,39.67 120.42,39.94 129.29,48.81 151,48.81 159.9,39.92 v1(159.9,38.26) ; v1(76.08,35.85) 76.41,36.19 86.88,36.19 v1(87,36.07)
  Bottom w0.25: v1(76.08,35.85) 76.08,36.83 71.44,41.47 v1(71.44,41.5) ; v1(159.9,38.26) 159.9,37.38 v1(163.45,33.82) ; v1(120.42,37.92) 119.89,37.39 119.89,33.18 v1(123.57,29.5) ; v1(97.84,36.9) 87.83,36.9 v1(87,36.07)
/interface/SDA: length 160.9
  Top w0.25: v1(121.91,40.02) 121.91,40.67 129.6,48.36 150.82,48.36 159.01,40.17 v1(159.01,36.87) ; v1(88.3,35.31) 88.15,35.16 78.07,35.16 v1(77.76,35.46) ; v1(162.73,33.03) 162.73,24.97 162.24,24.48 161.23,24.48 160.05,25.66 U13.15 ; v1(99.06,36.17) 99.16,36.27 113.98,36.27 R77.1 118.34,38.64 v1(119.51,38.64) ; U3.59 71.63,59.62 68.84,56.82 68.84,45.25 72.65,41.43 v1(72.65,41.28) ; v1(123.89,28.55) 124.14,28.8 U12.23
  Bottom w0.25: v1(162.73,33.03) 162.73,33.27 159.13,36.87 v1(159.01,36.87) ; v1(99.06,36.17) 89.17,36.17 v1(88.3,35.31) ; v1(121.91,40.02) 120.53,38.64 v1(119.51,38.64) 119.44,38.58 119.44,32.48 123.37,28.55 v1(123.89,28.55) ; v1(72.65,41.28) 73.15,41.28 77.76,36.66 v1(77.76,35.46)
/lvdt/A: length 86.3
  Top w0.25: 48.14,36.74 48.14,34.43 C80.1 47.27,31.71 R144.2 ; U3.22 93.59,59.62 94.39,58.82 94.39,45.12 86.38,37.11 69.1,37.11 59.56,46.66 54.74,46.66 52.55,44.47 52.55,43.31 51.69,42.45 v1(50.04,42.45)
  Bottom w0.25: v1(50.04,42.45) 48.14,40.55 48.14,36.74
/lvdt/B: length 93
  Top w0.25: U3.23 93.73,60.12 95.57,58.27 95.57,45.67 86.57,36.66 68.92,36.66 59.37,46.21 54.93,46.21 53,44.28 53,43.13 51.5,41.63 46.05,41.63 40.29,35.87 C81.1 40.29,31.71 R145.2
/lvdt/SIGNAL: length 105.8
  Top w0.25: v1(49.41,14.51) 47.69,14.51 46.23,15.98 U14.3 ; U3.21 89.56,59.12 89.61,59.17 93.02,59.17 93.67,58.52 93.67,45.44 85.79,37.56 69.29,37.56 59.74,47.11 54.43,47.11 51.31,43.98 v1(51.31,43.72)
  Bottom w0.25: v1(51.31,43.72) 53.22,41.82 53.22,18.32 v1(49.41,14.51)
/mcu/NRST: length 43.5
  Top w0.25: 73.9,54.25 71.65,54.25 v1(69.6,56.3) ; 73.9,54.25 72.27,52.61 72.27,50.94 C13.2 ; 73.9,54.25 v1(75.92,54.25) ; U3.7 81.67,54.35 81.92,54.11 v1(81.92,53.24) ; v1(66.58,58.75) 62.96,58.75 61.41,60.3 55.18,60.3 v1(54.61,59.73)
  Bottom w0.25: v1(75.92,54.25) 76.54,53.63 81.53,53.63 v1(81.92,53.24) ; v1(66.58,58.75) 67.15,58.75 v1(69.6,56.3) ; v1(54.61,59.73) 54.61,62.66 J3.3
/mcu/PB3: length 28.5
  Top w0.25: U3.55 73.67,61.62 73.66,61.63 62.61,61.63 60.24,64.01 55.21,64.01 54.52,63.32 51.22,63.32 J3.2
/mcu/PB4: length 29.3
  Top w0.25: U3.56 62.49,61.12 60.2,63.41 55.75,63.41 v1(55.63,63.28)
  Bottom w0.25: v1(55.63,63.28) 55.63,63.3 53.07,65.86 51.22,65.86 J3.4
/mcu/PB8: length 33.8
  Top w0.25: U3.61 74.8,58.62 74.77,58.58 72.65,58.58 v1(71,56.93) ; v1(59.06,62.65) 59.95,62.65 62.74,59.85 v1(67.44,59.85)